# KiCad board BV1.2.kicad_pcb (continued)
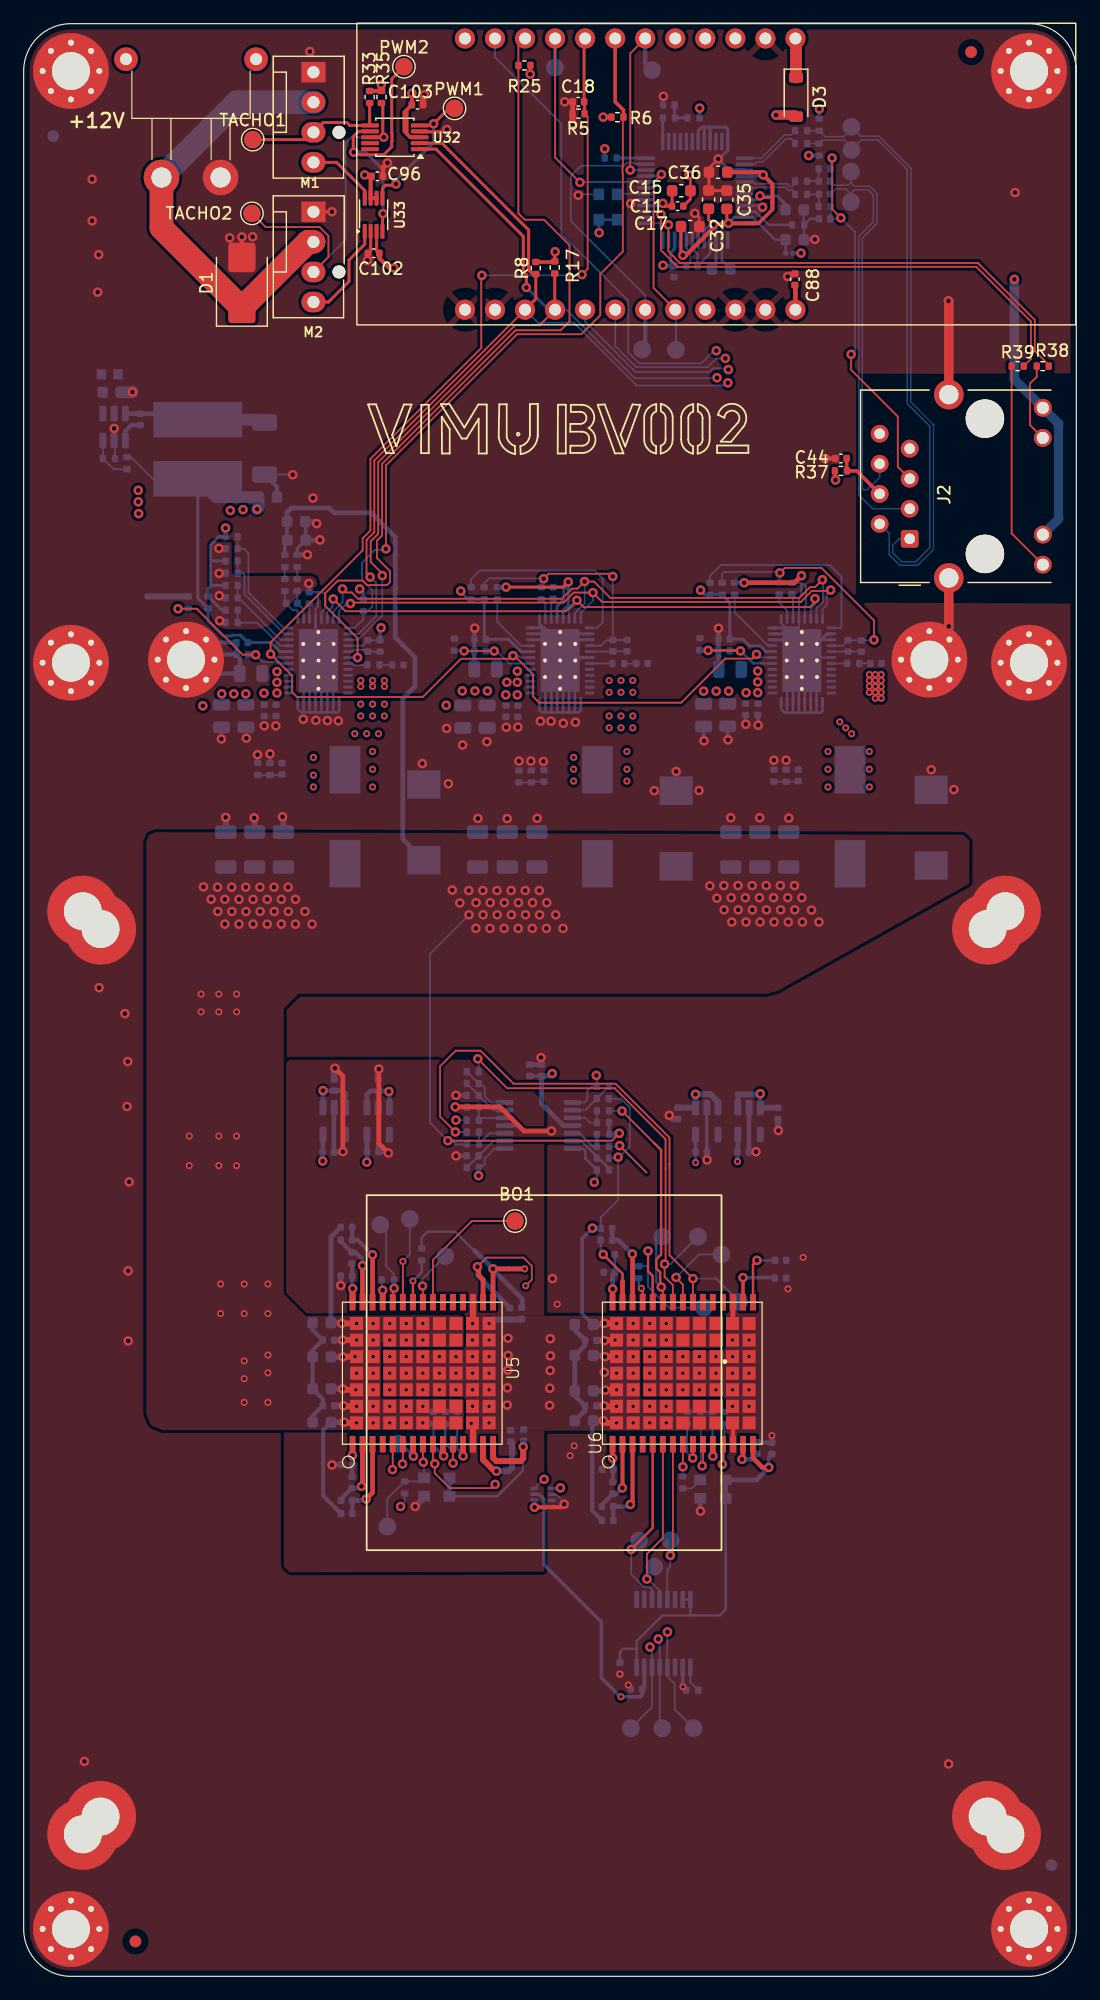
[diagram p0: board, top side]
## Routing (per net, layer and track width the routed paths; a pad name or vN(x,y) marks a point on that pad's centre or on a via; arc(x,y) is an arc through that point) (continued)
  Bottom w0.152: U18.2 28.31,113.44 29.81,114.93 29.81,117.72 v1(29.29,118.24) ; v1(45.38,41.27) 45.37,41.27 45.32,41.22 45.31,41.23 U37.1 ; v1(59.54,134.66) 59.31,134.43 51.83,134.43 46.51,139.74 45.48,139.74 45.47,139.73 43.49,139.73 U30.22
/T-Display-S3/SCLK: length 17.2
  Top w0.152: U30.17 53.25,142.67 53.25,149.14 53.28,149.17 53.28,151.62 v1(53.92,152.26)
  Bottom w0.152: U15.33 53.79,152.13 v1(53.92,152.26) ; SCLK1.1 55.15,140.77 U30.17
/T-Display-S3/SCSN: length 21.2
  Top w0.152: U30.4 44.93,153.69 v1(47.03,151.59)
  Bottom w0.152: v1(47.03,151.59) 47.03,151.62 47.15,151.74 47.26,151.63 U15.32
  Bottom w0.35: U30.4 44.93,161.3 SCSN1.1
/T-Display-S3/SDA: length 203.5
  Top w0.152: v1(30.32,118.36) 30.32,118.53 29.34,119.51 29.34,121.26 29.98,121.89 29.98,127.95 41.54,139.52 43.62,139.52 U30.21
  Top w0.254: R17.1 44.9,140.86 U30.21 ; U32.1 34.86,154.4 42.24,147.02 42.24,144.03 42.5,143.77 v1(42.5,142.71)
  In1.Cu w0.152: v1(58.62,135.08) 58.62,134.65 62.93,130.34 62.93,126.15 69.41,119.67 69.41,107.6 73.59,103.42 73.59,89.56 70.46,86.43 70.46,45.07 66.89,41.5 52.5,41.5 51.74,42.26 44.26,42.26 v1(44,42) 43.76,42
  Bottom w0.152: U30.21 45.89,140.83 51.68,135.04 58.58,135.04 v1(58.62,135.08) ; v1(30.32,118.36) 30.32,114.99 28.28,112.94 U18.3 ; U37.6 43.94,42 v1(44,42)
  Bottom w0.254: U30.21 44.38,140.83 v1(42.5,142.71)
/T-Display-S3/SMB_ALRT: length 71.9
  Top w0.152: v1(28.23,111.44) 28.23,113.07 25.48,115.82 25.48,116.85 26.57,117.94 28.66,117.94 29.04,117.56 30.72,117.56 30.98,117.82 30.98,118.73 29.87,119.84 29.87,121.32 30.31,121.76 30.31,127.81 41.58,139.09 45.4,139.09 46.15,139.84 46.15,146.28 44,148.43 42.37,148.43 41.83,148.97 R25.1 41.83,163.19 U30.3
  Bottom w0.152: U18.6 28.23,111.44 v1(28.23,111.44)
/T-Display-S3/TACHO1: length 12.5
  Top w0.254: R33.2 29.25,156.43 29.28,156.4 27.57,156.4 27.32,156.65 25.33,156.65 M1.3 23.88,155.2 TACHO1.1
/T-Display-S3/TACHO2: length 31.3
  Top w0.152: M2.3 25.77,145.29 25.77,147.06 25.02,147.81 20.46,147.81 TACHO2.1
  Top w0.254: v1(30.44,155.4) 30.44,155.4 U32.8 ; R35.2 30.36,158.18 30.36,155.66 30.11,155.4 29.28,155.4
  Bottom w0.152: M2.3 27.23,146.75 27.23,154.92 27.71,155.4 v1(30.44,155.4)
  Bottom w0.254: 30.43,155.39 v1(30.44,155.4)
/T-Display-S3/W5500/ACTLED: length 42.2
  Top w0.152: v1(53.88,148.88) 53.88,148.3 53.85,148.27 53.85,147.73 53.88,147.7 53.88,145.86 54.2,145.54 54.2,145.53 55.27,144.47 55.31,144.47 55.32,144.45 80.54,144.45 83.93,141.06 83.93,141.06 85.16,139.83 85.16,136.67 R39.2
  Bottom w0.152: v1(53.88,148.88) 53.63,149.13 U15.27
/T-Display-S3/W5500/LINKLED: length 42
  Top w0.152: v1(54.51,148) 54.51,145.77 55.08,145.2 55.08,145.17 55.46,144.78 80.68,144.78 80.86,144.6 80.86,144.6 85.49,139.97 85.49,137.34 86.67,136.16 R38.2
  Bottom w0.152: U15.25 54.38,148.13 v1(54.51,148)
mm: length 2.2
  Top w0.2: U6.27 52.34,58.02 v2(52.22,58.14)
  Bottom w0.2: R31.2 52,58.36 v2(52.22,58.14)
PGOOD: length 64.8
  Top w0.152: R6.1 50.66,157.05 50.66,152.93 50.63,152.9 50.63,152.36 50.66,152.33 50.66,150.07 50.66,150.07 50.66,149.53 50.66,149.53 50.66,145.75 48.75,143.84 48.75,140.36 47.15,138.76 41.72,138.76 30.64,127.68 30.64,120.63 v1(30.63,120.62)
  Top w0.3: R6.1 50.71,157.7 50.01,158.4 U30.6
  Bottom w0.152: U18.1 27.98,113.94 28.72,114.68 R82.2 29.08,115.35 29.47,115.74 29.47,117.13 28.61,117.99 28.61,119.44 29.7,120.53 30.63,120.53 v1(30.63,120.62)
Net-(C1-Pad2): length 2.2
  Bottom w0.254: C1.2 55.03,157.07 R4.1 R7.2
Net-(C42-Pad2): length 2.1
  Bottom w0.152: R20.2 67.21,150.57 C42.2 67.24,149.57 R21.1
Net-(C43-Pad2): length 2.1
  Bottom w0.152: R36.1 67.21,151.7 C43.2 67.22,151.69 R19.2
Net-(C77-Pad1): length 1.1
  Bottom w0.152: R76.2 31.15,110.82 C77.1
Net-(C77-Pad2):
  vias: v2(24.5,103) v2(24.5,101.5) v2(24.5,100.5) v2(28,105) v2(28.5,109.5) v2(28.5,109) v2(28.5,107.5) v2(28.5,106.5) v2(29,105) v2(29.5,109.5) v2(29.5,109) v2(29.5,107.5) v2(29.5,106.5) v2(29.5,103.5) v2(29.5,102) v2(29.5,100.5) v2(30,105) v2(30.5,109.5) v2(30.5,109) v2(30.5,107.5) v2(30.5,106.5)
Net-(C78-Pad1): length 1
  Bottom w0.152: R77.2 51.78,110.92 C78.1
Net-(C78-Pad2):
  vias: v2(46.5,103) v2(46.5,102) v2(46.5,101) v2(49.5,109.5) v2(49.5,108.5) v2(49.5,106.5) v2(49.5,105.5) v2(50.5,109.5) v2(50.5,108.5) v2(50.5,106.5) v2(50.5,105.5) v2(51,103.5) v2(51,102) v2(51,101) v2(51.5,109.5) v2(51.5,108.5) v2(51.5,106.5) v2(51.5,105.5)
Net-(C79-Pad1): length 2.1
  Bottom w0.152: C79.1 21.79,101.51 R84.2 R78.2
Net-(C80-Pad1): length 2.2
  Bottom w0.152: R83.2 R86.2 43,100.96 C80.1
Net-(C135-Pad1): length 0.9
  Bottom w0.152: C135.1 71.57,110.95 R93.2
Net-(C135-Pad2):
  vias: v2(68,103.5) v2(68,102) v2(68,100.5) v2(69,106) v2(69.5,105.5) v2(70,105) v2(71.5,110) v2(71.5,109.5) v2(71.5,109) v2(71.5,108.5) v2(71.5,103.5) v2(71.5,102) v2(71.5,100.5) v2(72,110) v2(72,109.5) v2(72,109) v2(72,108.5) v2(72,108) v2(72.5,110) v2(72.5,109.5) v2(72.5,109) v2(72.5,108.5) v2(72.5,108)
Net-(C136-Pad1): length 2.1
  Bottom w0.152: R95.2 R97.2 65.44,100.95 C136.1
Net-(D3-K): length 3.3
  Top w1: D3.1 65.3,163.7 U30.12
Net-(J2-Pad9): length 17.9
  Top w0.152: R39.1 83.53,121.92 J2.9
Net-(J2-Pad11): length 6.8
  Top w0.152: J2.11 85.08,131.09 85.08,134.59 85.65,135.16 R38.1
Net-(J2-RCT): length 33
  Top w0.152: v1(69.96,137.06) 69.96,135.75 73.91,131.8 73.91,127.55 J2.5 ; v1(69.09,148.59) 68.35,149.33 v1(68.35,153.65)
  Bottom w0.152: v1(68.35,153.65) 68.23,153.53 R36.2 ; R21.2 68.23,148.54 C37.2 69.01,148.51 v1(69.09,148.59) 70.28,147.4 70.28,137.38 v1(69.96,137.06)
Net-(J2-RD+): length 36.4
  Bottom w0.127: J2.3 71.77,124.01 70.6,125.18 70.6,147.01 71.84,148.25 71.84,150.52 71.4,150.96 70.23,150.96 69.94,150.67 RD+1.1 69.94,150.59 69.48,151.05 68.65,151.05 C42.1
Net-(J2-RD-): length 34
  Bottom w0.127: C43.1 68.52,151.35 69.72,151.35 69.94,151.57 ; 69.94,151.57 RD-1.1 ; 69.94,151.57 70.25,151.26 71.53,151.26 72.14,150.65 72.14,148.13 70.9,146.89 70.9,125.75 71.04,125.61 71.31,125.61 72.37,126.67 J2.6 ; 70.02,152.49 70.03,152.5
Net-(J2-TCT): length 4.6
  Top w0.3: C44.2 69.58,127.24 R37.2 70.43,127.21 J2.4
Net-(J2-TD+): length 49.5
  Bottom w0.127: J2.1 74.01,121.47 73.47,120.93 73.47,120.28 74.22,119.53 75.44,119.53 76.62,120.71 76.62,130.98 74.7,132.9 74.7,152.68 72.19,155.19 70.83,155.19 69.99,154.35 TXP1.1 69.99,154.58 69.41,155.16 67.49,155.16 67.24,154.91 R26.2 67.23,154.88 R16.2
Net-(J2-TD-): length 51.5
  Bottom w0.127: J2.2 73.17,121.93 73.17,120.15 74.09,119.23 75.57,119.23 76.92,120.58 76.92,131.11 75,133.03 75,152.81 72.32,155.49 70.77,155.49 TXN1.1 69.98,156.11 69.33,155.46 67.75,155.46 R22.2 R12.2
Net-(M1-PWM): length 6
  Top w0.254: M1.4 26.46,153.28 28.84,150.9 U33.8
Net-(M2-PWM): length 8.5
  Top w0.254: M2.4 25.77,141.48 27.51,143.22 27.51,145.03 28.84,146.36 U33.1
Net-(R30-Pad1): length 1.9
  Top w0.152: U5.27 30.36,57.98 v1(30.36,57.98)
  Bottom w0.152: v1(30.36,57.98) 30.28,58.06 R30.1
Net-(R32-Pad1): length 4.2
  Top w0.152: v1(37.15,43.97) 37.15,43.97 U5.12
  Bottom w0.152: 37.32,44.14 v1(37.15,43.97)
  Bottom w0.2: v1(37.15,43.97) 37.15,44.06 36.65,44.57 R32.1
Net-(R47-Pad1): length 5.2
  Top w0.152: U6.12 59.13,43.32 v1(59.08,43.27)
  Bottom w0.152: v1(59.08,43.27) 59.25,43.44 R47.1
Net-(R71-Pad1): length 4.7
  Bottom w0.152: U17.14 39.5,73.84 38.98,74.36 38.98,75.12 38.66,75.44 R71.1 37.47,76.44 R72.2
Net-(R80-Pad1): length 1
  Bottom w0.152: R80.1 R88.2
Net-(R81-Pad2): length 1
  Bottom w0.152: R81.2 R89.2
Net-(U5-BO): length 11.9
  Top w0.152: U5.22 34.6,60.54 37.89,63.82 BO1.1
Net-(U5-CLKO): length 4.7
  Top w0.152: v1(33.72,58.33) 33.76,58.3 U5.23
  Bottom w0.152: CLKO1.1 33.72,58.93 v1(33.72,58.33)
Net-(U5-CO): length 9.2
  Top w0.152: 32.06,58.91 U5.25 v2(32.06,60.41)
  Bottom w0.152: v2(32.06,60.41) 32.65,61 CO1.1
Net-(U5-LITE_PAD): length 4.4
  Top w0.152: v1(35.5,43.98) 35.45,44.03 U5.10
  Bottom w0.152: 35.26,44.22 v1(35.5,43.98)
  Bottom w0.2: v1(35.5,43.98) 34.65,44.83 R34.1
Net-(U5-PIN_MODE): length 5.2
  Top w0.152: v1(36.3,43.37) 36.29,43.38 U5.11
  Bottom w0.152: 36.28,43.39 v1(36.3,43.37)
  Bottom w0.2: v1(36.3,43.37) 36.3,44.34 35.65,45 R28.1
Net-(U5-RI): length 3.8
  Top w0.2: U5.24 v2(32.91,58.76)
  Bottom w0.2: v2(32.91,58.76) 33.65,59.5 R40.2
Net-(U5-RST): length 7.5
  Top w0.152: 31.37,56.96 31.37,57.35 31.38,57.36 ; U5.26 31.21,58.03 v1(31.32,58.14)
  Bottom w0.152: v1(31.32,58.14) 31.31,58.14 31.3,58.16 R30.2 31.3,59.35 30.65,60 30.65,63 RSTO1.1
Net-(U5-VDD1_0): length 2.8
  Top w0.4: U5.1 27.8,44.03 v1(27.79,44.01)
  Bottom w0.35: C107.1 27.76,43.21 C98.2
  Bottom w0.4: C107.1 27.79,44.01 v1(27.79,44.01)
Net-(U5-VDD1_1): length 3.3
  Top w0.35: 27.81,58.1 v1(27.81,58.11)
  Top w0.508: v1(27.81,58.11) 27.8,58.1 U5.30
  Bottom w0.35: v1(27.81,58.11) 27.77,58.16 C195.2 27.77,60.19 C186.1
Net-(U5-VDD2_0): length 5.9
  Top w0.4: U5.2 28.65,41.49 v1(28.56,41.4)
  Bottom w0.35: C92.2 26.83,40.34 C98.1
  Bottom w0.4: C98.1 28.42,41.27 v1(28.56,41.4)
Net-(U5-VDD2_1): length 6.2
  Top w0.35: 28.65,60.05 v1(28.64,60.06)
  Top w0.4: U5.29 28.64,56.96 v1(28.64,60.06)
  Bottom w0.35: v1(28.64,60.06) 28.64,60.58 28.05,61.18 C186.2 26.81,62.11 C184.1
Net-(U5-VDD3_0): length 7.2
  Top w0.4: v1(28.96,40.33) 29.5,40.87 U5.3
  Bottom w0.35: C92.1 C90.2
  Bottom w0.4: C92.1 28.85,40.22 v1(28.96,40.33)
Net-(U5-VDD3_1): length 7.3
  Top w0.35: 29.5,60.96 v1(29.49,60.97)
  Top w0.4: U5.28 29.5,60.97 v1(29.49,60.97)
  Bottom w0.35: v1(29.49,60.97) 28.23,62.23 C184.2 C178.1
Net-(U6-BI): length 4.4
  Top w0.152: U6.9 56.58,43.82 v1(56.57,43.8) 56.5,43.73
  Bottom w0.152: R29.1 56.09,44.28 v1(56.57,43.8)
Net-(U6-LITE_PAD): length 5.4
  Top w0.152: U6.10 57.43,43.21 v1(57.37,43.14)
  Bottom w0.152: R43.1 57.25,43.26 v1(57.37,43.14)
Net-(U6-PIN_MODE): length 3.7
  Top w0.152: 58.28,43.95 v1(58.27,43.96) U6.11
  Bottom w0.152: R44.1 58.25,43.98 v1(58.27,43.96)
Net-(U6-VDD1_0): length 3.3
  Top w0.35: v1(49.8,43.79) 49.79,43.8 U6.1
  Bottom w0.35: C159.2 49.82,42.78 C163.1 49.85,43.74 v1(49.8,43.79)
Net-(U6-VDD1_1): length 4.2
  Top w0.4: v1(49.8,58.08) 49.79,58.07 U6.30
  Bottom w0.2: C171.2 49.98,59.52 C177.1
  Bottom w0.4: C171.2 49.8,59.3 v1(49.8,58.08) 49.76,58.12
Net-(U6-VDD2_0): length 6.2
  Top w0.35: U6.2 50.63,41.28 v1(50.62,41.27)
  Bottom w0.35: v1(50.62,41.27) 50.13,40.78 C159.1 48.89,39.85 C155.2
Net-(U6-VDD2_1): length 6
  Top w0.2: 50.63,58.73 50.63,59.37 v1(49,61)
  Top w0.4: U6.29 50.63,58.73
  Bottom w0.2: C183.1 48.8,61.22 C177.2
Net-(U6-VDD3_0): length 7.9
  Top w0.35: v1(51.3,39.87) 51.48,40.05 U6.3
  Bottom w0.35: v1(51.3,39.87) 51.13,39.7 C155.1 49.85,38.53 C153.2
Net-(U6-VDD3_1): length 7.3
  Top w0.4: v1(51.47,61.03) 51.48,61.02 U6.28
  Bottom w0.4: v1(51.47,61.03) 50.29,62.21 C183.2 C185.1
Net-(U7-OE): length 2.2
  Bottom w0.152: U7.9 56.37,24.85 R23.2
Net-(U9-Out): length 1.8
  Bottom w0.152: R46.2 56.49,41.23 U9.3
Net-(U14-BS): length 2.3
  Bottom w0.35: C22.2 9.08,131.07 8.6,130.59 U14.1
Net-(U14-FB): length 3.9
  Bottom w0.152: U14.3 6.7,128.26 R14.2 7.6,127.35 R13.1
Net-(U14-SW): length 12.1
  Bottom w0.4: 20.13,131.54 D2.1 ; L5.1 14.23,132.03 C22.1 9.85,132.05 U14.6
  Bottom w1: L5.1 20.13,131.54
Net-(U15-EXRES1): length 4.5
  Bottom w0.203: U15.10 61.86,149.13 62.99,148 R11.2
Net-(U15-RXN): length 4.7
  Bottom w0.127: U15.5 61.67,151.63 61.83,151.47 64.56,151.47 64.78,151.25 64.99,151.25 65.22,151.48 R19.1
Net-(U15-RXP): length 4.6
  Bottom w0.127: U15.6 61.86,151.13 61.9,151.17 64.43,151.17 64.65,150.95 64.99,150.95 65.22,150.72 R20.1
Net-(U15-TOCAP): length 2.5
  Bottom w0.152: 56.03,146.72 56.03,146.02 56.36,145.7 56.36,144.87 C25.2
Net-(U15-TXN): length 5.2
  Bottom w0.127: R12.1 64.85,155.58 64.32,155.58 62.37,153.63 U15.1
Net-(U15-TXP): length 5.4
  Bottom w0.127: U15.2 61.8,153.13 61.99,153.32 62.49,153.32 64.45,155.28 64.88,155.28 65.22,154.94 R16.1
Net-(U15-VDD): length 3.7
  Top w0.254: C15.2 54.83,149.59 C11.1 54.26,149.58 v1(54.03,149.82)
  Bottom w0.254: U15.28 53.83,149.63 v1(54.03,149.82)
Net-(U15-XI/CLKIN): length 2.4
  Bottom w0.152: U15.30 50.24,150.63 U2.3
Net-(U15-~{INT}): length 2.5
  Bottom w0.254: R9.1 52.59,153.65 U15.36
Net-(U15-~{RST}): length 2
  Bottom w0.254: U15.37 54.03,157.03 R4.2
Net-(U17A-+): length 3.2
  Bottom w0.152: R57.2 R56.1 47.88,72.14 47.48,72.54 U17.3
Net-(U17A--): length 3.9
  Bottom w0.152: U17.2 47.48,73.19 R55.1 48.45,74.18 R68.2
Net-(U17B-+): length 3.6
  Bottom w0.203: U17.5 46.99,71.24 48.09,70.14 R60.2 48.48,70.14
  Bottom w0.254: R60.2 R59.2 48.48,71.14
Net-(U17B--): length 4.9
  Bottom w0.203: U17.6 47.14,70.59 48.47,69.26 R58.1 48.61,69.14 49.48,68.27 R69.2
  Bottom w0.254: 47.02,70.59 U17.6 ; 48.47,69.15 R58.1 48.48,69.14
Net-(U17C-+): length 3.6
  Bottom w0.152: R63.2 R62.2 39.39,71.24 U17.10
Net-(U17C--): length 4.2
  Bottom w0.152: U17.9 39.72,70.59 R61.1 37.47,68.34 R70.2
Net-(U17D-+): length 3.4
  Bottom w0.152: U17.12 38.69,72.54 R66.2 R65.2
Net-(U17D--): length 4.2
  Bottom w0.152: R71.2 37.47,75.44 R64.1 39.72,73.19 U17.13
Net-(U18-ADRSEL): length 8.5
  Bottom w0.152: U18.31 22.02,113.44 18.67,116.79 18.67,118.45 18.55,118.57 R49.2 R42.1
Net-(U18-AVIN): length 12.8
  Top w0.152: v1(19.61,111.67) 18.52,111.67 14.63,115.56 v1(13.05,115.56)
  Bottom w0.152: U18.26 21.45,110.94 21.32,111.07 20.21,111.07 v1(19.61,111.67) 19.62,111.68 19.61,111.69 C67.2 ; v1(13.05,115.56) 13.07,115.58 R54.2
Net-(U18-BOOT): length 1.9
  Bottom w0.152: U18.7 27.8,110.94 27.96,110.78 29.02,110.78 R76.1 28.94,110.94
Net-(U18-DRTN): length 2.8
  Bottom w0.152: U18.5 27.81,111.94 27.96,112.09 28.96,112.09 C93.1 C104.1
Net-(U18-GOSNS/SLAVE): length 2.6
  Bottom w0.152: U18.34 23.67,115.5 C76.1 23.13,116.04 R81.1
Net-(U18-MSEL1): length 10.1
  Bottom w0.152: U18.32 21.99,113.94 19,116.93 19,120.25 18.61,120.64 R51.2 R24.1
Net-(U18-MSEL2): length 6.2
  Bottom w0.152: U18.29 21.7,112.44 19.75,114.39 R52.2 R48.1
Net-(U18-VOSNS): length 3
  Bottom w0.152: R80.2 22.08,116.13 C76.2 22.77,115.44 23.06,115.44 23.17,115.33 U18.33
Net-(U18-VSEL): length 6.8
  Bottom w0.152: R41.1 R50.2 18.18,116.48 21.72,112.94 U18.30
Net-(U18-VSHARE): length 1.3
  Bottom w0.152: C81.2 24.15,114.71 U18.35
Net-(U19-AVIN): length 7.6
  Top w0.152: v1(39.78,111.99) 39.77,112 v1(37.24,112)
  Bottom w0.152: v1(37.24,112) 37.22,112.02 R73.2 ; C69.2 v1(39.78,111.99) 40.01,111.99 41.06,110.94 U19.26
Net-(U19-BOOT): length 1.9
  Bottom w0.152: R77.1 49.75,110.94 U19.7
Net-(U19-DRTN): length 3.2
  Bottom w0.152: C109.1 C100.1 49.79,111.94 U19.5
Net-(U19-GOSNS/SLAVE): length 1.8
  Bottom w0.152: R79.1 44.11,116.01 U19.34
Net-(U19-MSEL2): length 5.5
  Bottom w0.152: U19.29 42.07,112.44 40.05,114.46 R53.1
Net-(U19-PGD/~RST): length 17.4
  Bottom w0.152: R85.2 37.83,118.05 38.57,118.79 48.3,118.79 48.95,118.14 48.95,114.4 48.49,113.94 U19.1
Net-(U19-VSHARE): length 1.8
  Bottom w0.152: C85.2 44.61,116.25 U19.35
Net-(U20-AVIN): length 7.5
  Top w0.203: v1(57.87,112.04) 60.56,112.04 v1(60.6,112)
  Bottom w0.203: C132.2 60.59,112.01 v1(60.6,112) 60.61,112.01 61.68,110.94 U20.26 ; v1(57.87,112.04) 57.88,112.04 57.86,112.06 R92.2
Net-(U20-BOOT): length 1.3
  Bottom w0.152: R93.1 69.62,110.94 U20.7
Net-(U20-DRTN): length 2.5
  Bottom w0.152: C141.1 70.81,111.94 C139.1 U20.5
Net-(U20-GOSNS/SLAVE): length 2.3
  Bottom w0.152: U20.34 64.54,115.43 63.89,116.08 R94.1
Net-(U20-MSEL2): length 5.8
  Bottom w0.152: R91.1 60.11,115.27 62.94,112.44 U20.29
Net-(U20-PGD/~RST): length 17.6
  Bottom w0.152: R96.2 58.03,118.33 58.96,119.26 68.14,119.26 69.14,118.26 69.14,114.05 69.03,113.94 U20.1
Net-(U20-VSHARE): length 2.1
  Bottom w0.152: U20.35 65.04,116.7 C137.2
Net-(U32-PWM1): length 12.1
  Top w0.254: v1(31.48,151.45) 31.38,151.35 30.6,151.35 30.34,151.09 U33.5 ; PWM1.1 35.96,157.84 v1(34.66,156.54) 34.52,156.4 U32.5
  Bottom w0.254: v1(31.48,151.45) 31.48,151.77 34.66,154.95 v1(34.66,156.54)
Net-(U32-PWM2): length 22
  Top w0.254: PWM2.1 31.12,160.33 31.12,155.72 31.15,155.7 31.15,155.11 31.12,155.08 31.12,154.59 30.44,153.92 28.46,153.92 28.43,153.95 28.1,153.95 v1(27.91,154.14) 27.87,154.18 27.87,155.45 28.32,155.9 U32.7 ; U33.4 30.34,148.91 v1(30.38,148.95)
  Bottom w0.254: v1(30.38,148.95) 30.38,152.66 28.9,154.14 v1(27.91,154.14)

## Copper pours and planes (outline as drawn; the poured copper is in the pictures)
+3V3 on In1.Cu: 28.73,160.43 33.3,165 81,165 88.86,157.14 88.86,118.38 88.03,117.55 74.63,117.55 68.02,124.16 68.02,135.34 64.29,139.07 64.29,140.16 63.54,140.91 63.54,145.25 46.21,145.25 44.43,143.47 31.29,143.47 29.16,145.6 29.16,146.57 31.18,148.59 31.18,155.87 28.78,158.27 28.78,160.27 28.73,160.32
+5V on Bottom: 9.17,126.43 9.17,122.93 20.83,122.93 21.06,123.17 21.06,123.91 20.5,124.48 20.5,125.42 20.16,125.76 12.84,125.74 12.66,126.43
+12V on Bottom: 6.02,155.08 6.02,144.14 0.24,138.36 0.24,119.77 5.21,114.8 5.98,114.8 7.2,113.58 7.2,106.96 7.9,106.26 19.56,106.26 20,106.7 20,106.96 20.18,107.14 21.95,107.14 22.93,108.12 22.93,110.63 22.87,110.69 20.79,110.69 20.62,110.86 19.56,110.86 19.23,110.53 19.23,109.51 18.95,109.23 16.42,109.23 14.99,107.8 12.71,107.8 10.71,109.8 10.17,121.21 8.99,123.06 6.85,126.97 6.85,126.97 5.87,127.95 5.87,136.42 6.16,136.71 7.25,136.71 7.55,136.41 7.55,134.89 7.62,134.82 19.52,134.82 30.98,123.36 30.98,113.39 32.28,112.09 32.79,112.09 33.62,111.26 33.62,106.87 34.05,106.44 40.29,106.44 40.39,106.54 40.39,106.84 40.45,106.9 42.25,106.9 43.37,108.02 43.37,110.46 43.15,110.68 40.71,110.68 40.54,110.85 40.54,111.18 40.39,111.33 39.63,111.33 39.05,110.75 39.05,109.76 38.78,109.49 37.26,109.49 37.26,119.17 38.21,120.12 52.09,120.12 53.48,118.73 53.48,107.42 54.34,106.56 60.07,106.56 60.58,107.07 62.69,107.07 63.83,108.21 63.83,110.42 63.59,110.66 61.33,110.66 61.26,110.73 61.26,110.97 61.03,111.2 59.83,111.2 59.72,111.09 59.72,109.58 59.71,109.57 57.95,109.57 57.65,109.87 57.65,118.4 57.78,118.53 57.78,128.39 51.8,134.37 30,134.37 22.14,142.23 22.14,152.27 19.33,155.08
+12V on In1.Cu: 0.05,155.91 0.05,106.1 65.11,106.1 65.17,106.16 65.17,114.97 54.4,125.74 26.01,125.74 20.7,131.05 20.7,155.75 20.54,155.91
/power1/AGND1 on Top, Bottom, In1.Cu, In2.Cu: 15.77,121.28 15.77,114.63 16.57,113.83 20.42,113.83 23.64,117.05 24.8,117.05 24.8,118.02 24.5,118.32 17.89,118.32 17.58,118.63 17.58,121.13 17.52,121.19 16.33,121.19 16.24,121.28
GND on Top, Bottom, In2.Cu: -0.08,163.83 -0.08,0 95,0 95,157.78 87.75,165.03 1.17,165.03 -0.05,163.81 -0.07,163.83
VDD on Top: 10.36,96.21 10.36,47.02 11.22,46.16 37.12,46.16 37.24,46.28 37.24,48.65 37.1,48.79 30.24,48.81 30.24,48.78 30.25,48.78 30.24,48.81 30.26,55.79 30.26,53.16 37.1,53.16 37.22,53.28 37.28,55.6 37.02,55.87 23.85,55.81 21.99,57.67 21.99,81.77 23.25,83.03 63.31,83.03 79.95,92.34 79.96,96.45 10.84,96.69
VDD on Bottom: 12.79,97.52 12.79,88.87 13.77,87.89 76.51,87.89 79.95,91.33 79.95,95.73 79.33,96.35 67.75,96.35 66.61,95.22 58.17,95.22 55.78,97.6 45.75,97.6 44.91,96.76 44.91,95.41 44.72,95.22 36.55,95.22 35.85,95.92 35.85,97.1 34.97,97.98 24.33,97.98 23.71,97.36 23.71,95.58 23.34,95.22 15.94,95.22 14.89,96.27 14.89,97.22 14.68,97.43 13.75,97.43 13.67,97.52
VDD on In1.Cu: 10.45,90.9 10.45,46.9 11.3,46.05 37.14,46.07 37.14,46.07 37.14,48.67 30.22,48.67 30.22,48.67 30.22,53.05 36.99,53.05 37.15,53.21 37.15,55.61 37.07,55.69 23.94,55.69 22.08,57.55 22.08,81.65 23.24,82.82 60.74,82.82 67.34,87.76 69.8,90.49 68.72,93.46 11.8,93.28
VDD1 on Top: 34.61,55.68 34.74,55.81 59.07,55.81 59.15,55.72 59.15,53.19 59.02,53.06 52.34,53.06 52.15,52.87 52.15,48.8 52.21,48.74 59.08,48.74 59.13,48.68 59.13,46.2 59.04,46.11 34.84,46.11 34.67,46.27 34.67,48.79 34.5,48.96 27.72,48.96 27.66,49.02 27.66,52.88 27.8,53.02 34.49,53.02 34.61,53.13
VDD1 on Top, Bottom, In2.Cu: 22,34.15 44,34.19 44.01,34.2 44.01,73.83 40.39,77.45 22,77.45
VDD1 on In2.Cu: 37.27,55.63 37.28,55.64 59.3,55.64 59.39,55.55 59.39,53.02 59.26,52.89 52.58,52.89 52.38,52.69 52.38,48.63 52.44,48.57 59.31,48.57 59.37,48.51 59.37,46.03 59.28,45.93 37.31,45.93 37.31,48.79 34.74,48.79 30.36,48.81 30.24,48.81 30.24,53.05 34.93,53.05 34.93,53.05 37.27,53.05
Net-(C77-Pad2) on Bottom: 26.86,110.63 26.86,108.36 27.1,108.12 27.16,108.12 27.16,105.17 26.15,104.16 23.19,104.16 22.98,103.95 22.98,103.15 22.78,102.95 21.53,102.95 21.43,102.85 21.43,102.29 21.68,102.04 23.35,102.04 23.35,100.59 23.34,100.58 24.9,99.02 29.69,99.02 31,100.33 31,108.79 32.56,110.35 32.56,110.97 32.36,111.17 31.85,111.17 31.64,110.96 31.64,110.3 28.16,110.3 27.99,110.47 27.99,110.65 27.97,110.67 26.9,110.67
Net-(C77-Pad2) on In1.Cu: 26.98,110.69 26.98,108.42 27.22,108.18 27.28,108.18 27.28,105.23 26.27,104.22 23.31,104.22 23.1,104.01 23.1,103.21 22.9,103.01 21.65,103.01 21.55,102.91 21.55,102.35 21.8,102.1 23.47,102.1 23.47,100.65 23.46,100.64 25.02,99.08 29.81,99.08 31.12,100.39 31.12,108.85 32.68,110.41 32.68,111.03 32.48,111.23 31.97,111.23 31.76,111.02 31.76,110.36 28.28,110.36 28.11,110.53 28.11,110.71 28.32,110.5 26.78,110.5
Net-(C78-Pad2) on Bottom: 47.31,110.64 47.31,108.28 47.44,108.15 47.44,104.68 46.83,104.07 44.68,104.07 44.45,103.84 44.45,102.47 44.33,102.35 43.68,102.35 43.6,102.27 43.6,101.67 43.73,101.54 44.54,101.54 46.93,99.15 50.03,99.15 52.35,101.47 52.35,110.19 52.67,110.51 53.1,110.51 53.18,110.59 53.18,111.34 52.43,111.34 52.27,111.18 52.27,110.71 51.98,110.42 48.48,110.42 48.27,110.63 48.12,110.63 48.11,110.64
Net-(C78-Pad2) on In1.Cu: 47.48,110.6 47.48,108.24 47.61,108.11 47.61,104.64 47,104.03 44.85,104.03 44.62,103.8 44.62,102.43 44.5,102.31 43.85,102.31 43.77,102.23 43.77,101.63 43.9,101.5 44.71,101.5 47.1,99.11 50.11,99.29 52.35,101.52 52.38,109.98 52.84,110.47 53.27,110.47 53.35,110.55 53.35,111.3 52.6,111.3 52.44,111.14 52.44,110.67 52.15,110.38 48.65,110.38 48.44,110.59 48.29,110.59 48.28,110.6
Net-(C135-Pad2) on Bottom: 67.71,110.56 67.71,108.39 67.91,108.19 67.91,105.19 66.79,104.07 65.37,104.07 65.09,103.79 65.09,101.76 65.37,101.48 66.3,101.48 66.54,101.24 66.54,98.85 67.39,98 72.72,98 73.67,98.95 73.67,109.5 72.98,110.19 72.98,111.23 72.91,111.3 72.22,111.3 72.06,111.14 72.06,110.48 68.81,110.48 68.65,110.64 67.86,110.64 67.86,110.63 67.78,110.63
Net-(C135-Pad2) on In2.Cu: 67.68,110.66 67.68,108.49 67.88,108.29 67.88,105.29 66.76,104.17 65.34,104.17 65.06,103.89 65.06,101.86 65.34,101.58 66.27,101.58 66.51,101.34 66.51,98.95 67.36,98.1 72.69,98.1 73.64,99.05 73.64,109.6 72.95,110.29 72.95,111.33 72.88,111.4 72.19,111.4 72.03,111.24 72.03,110.58 68.78,110.58 68.62,110.74 67.83,110.74 67.83,110.73 67.75,110.73
Net-(U14-EN) on Bottom: 5.98,136.03 6.2,136.26 7.25,136.26 7.46,136.06 7.46,132.93 7.59,132.8 7.9,132.8 8.05,132.65 8.05,131.49 7.85,131.29 6.47,131.29 6.24,131.52 6.24,133.21 5.98,133.47 5.98,135.48 5.99,135.49 5.98,135.5

## Text on the board
F.Silkscreen: +12V
User.1: M3 (3.2mm) | 5mm | 4mm
